# KiCad board panel.kicad_pcb (continued)
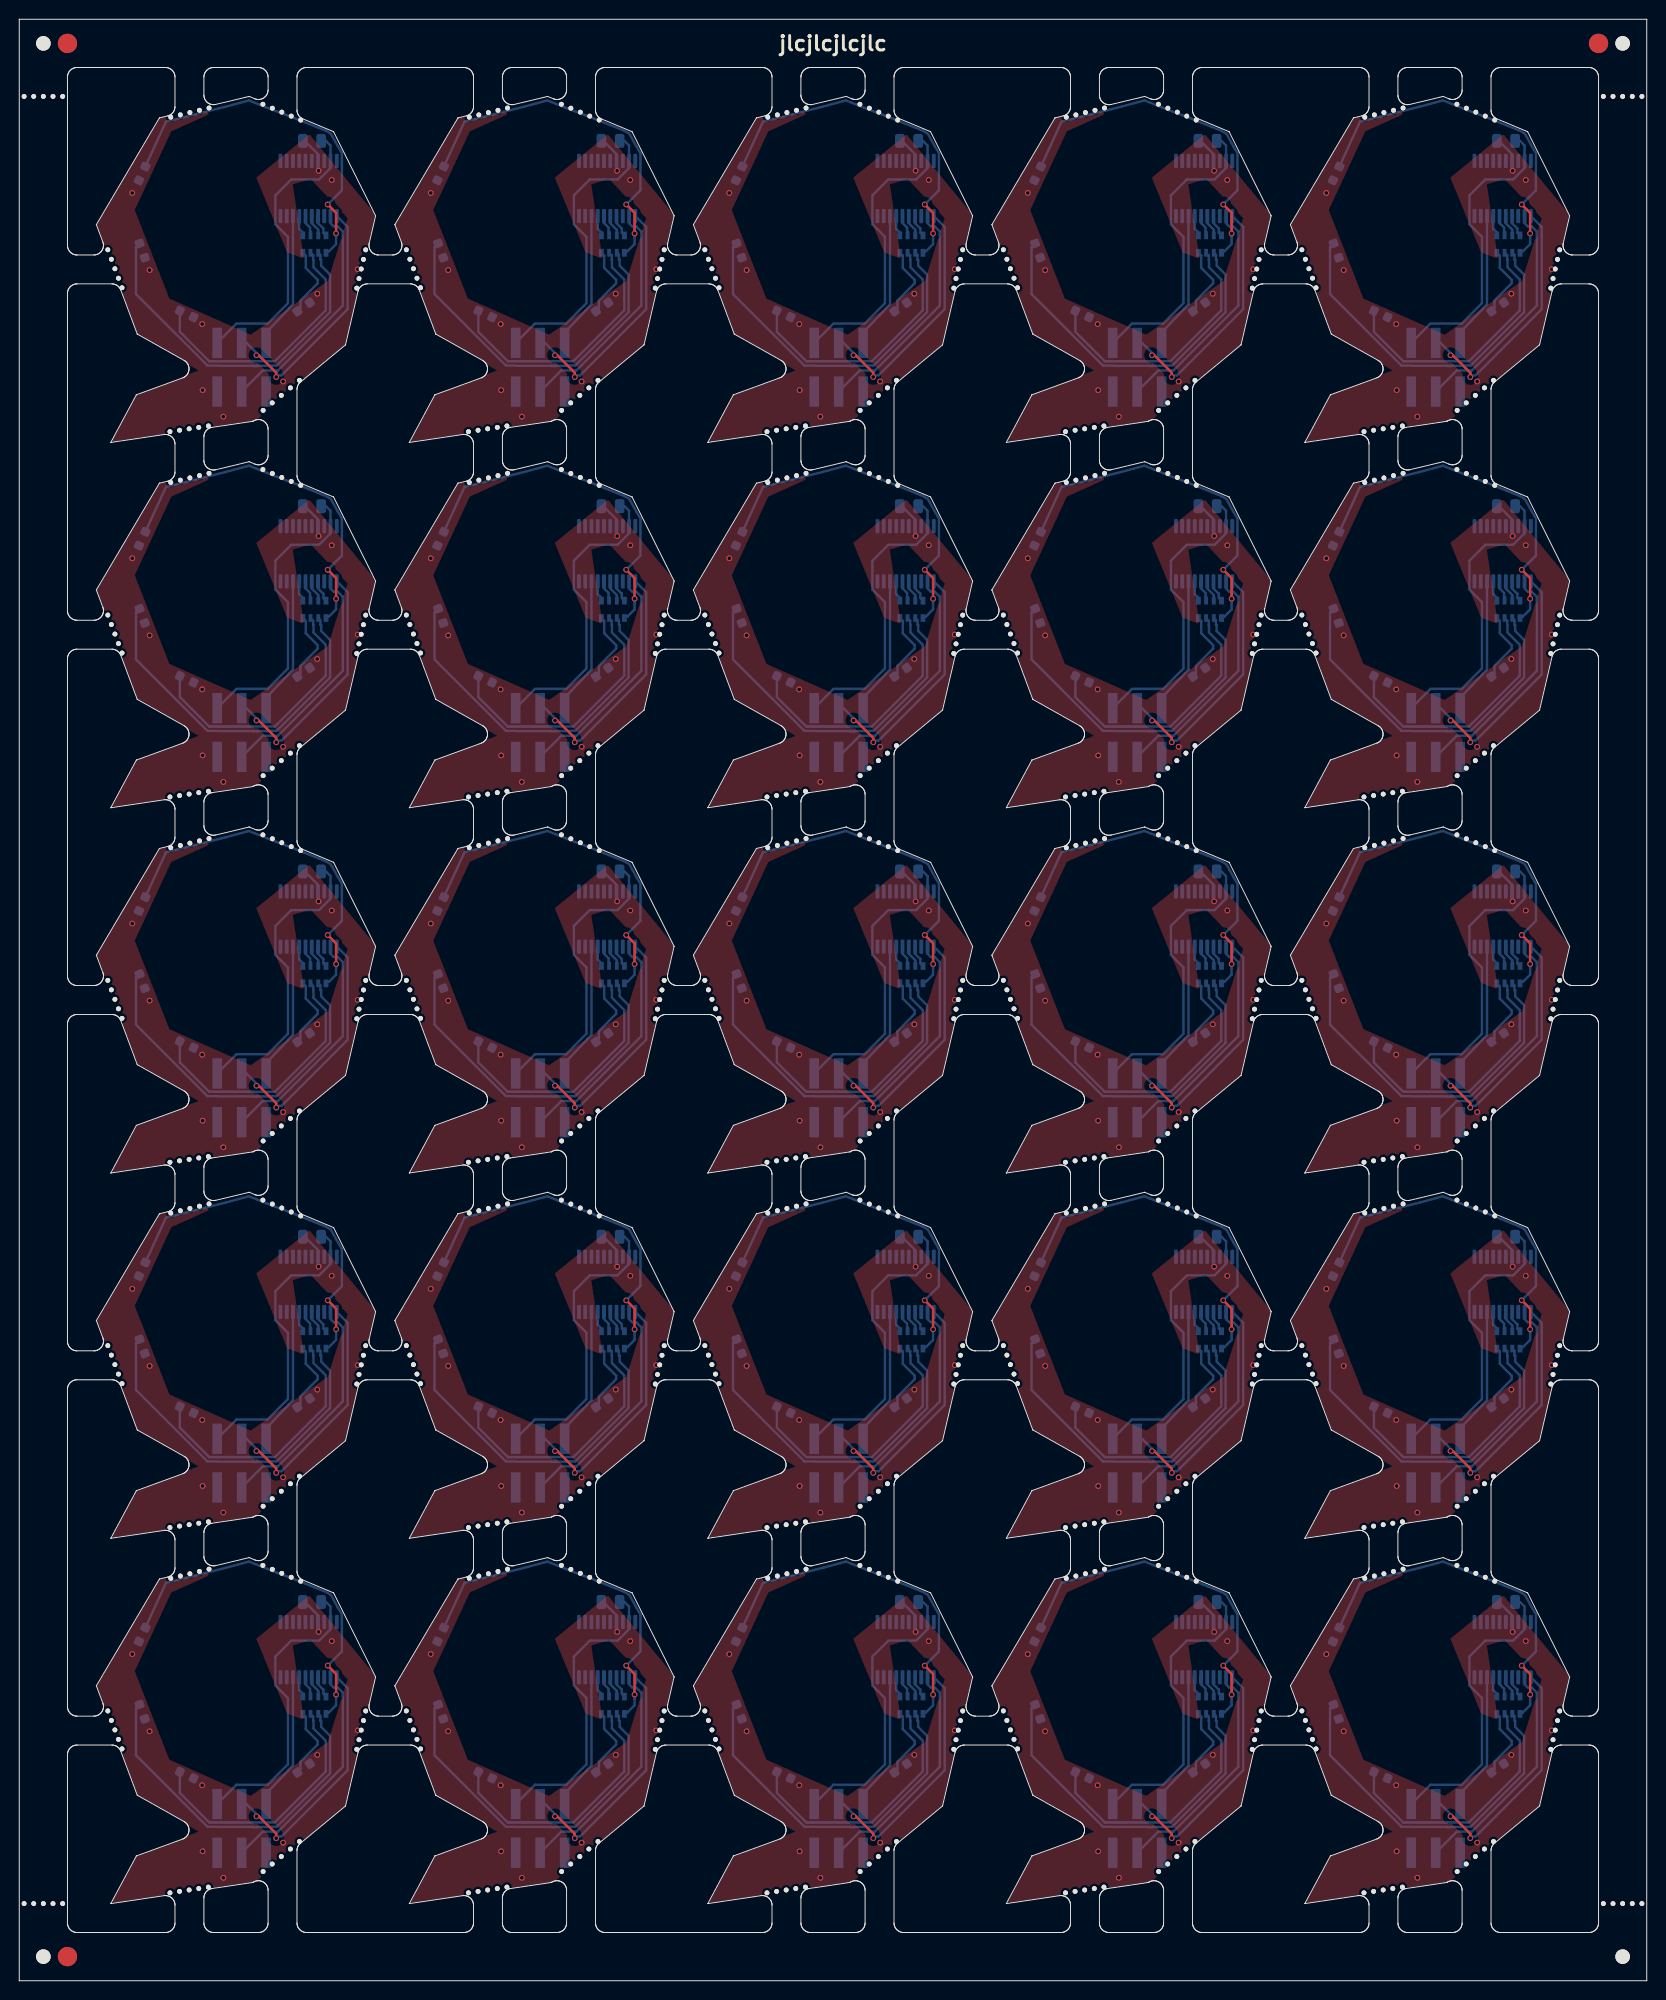
[diagram p0: board, top side]
## Nets (continued)
Board_23-A: RN1#23.8 U1#6.14
Board_23-B: RN1#23.7 U1#6.15
Board_23-C: RN1#23.6 U1#6.16
Board_23-D: RN1#23.5 U1#6.17
Board_23-Net-(D2-A): D2#7.2 RN1#23.1
Board_23-Net-(D4-A): D4#21.2 RN1#23.2
Board_23-Net-(D6-A): D6#21.2 RN1#23.3
Board_23-Net-(D8-A): D8#15.2 RN1#23.4
Board_23-SCL: J1#3.4 U1#6.12
Board_23-SDA: J1#3.3 U1#6.11
Board_23-SWIO: J1#3.5 U1#6.18
Board_23-unconnected-(J1-Pin_6-Pad6): J1#3.6
Board_23-unconnected-(U1-PA1-Pad5): U1#6.5
Board_23-unconnected-(U1-PA2-Pad6): U1#6.6
Board_23-unconnected-(U1-PC0-Pad10): U1#6.10
Board_23-unconnected-(U1-PC3-Pad13): U1#6.13
Board_23-unconnected-(U1-PD0-Pad8): U1#6.8
Board_23-unconnected-(U1-PD2-Pad19): U1#6.19
Board_23-unconnected-(U1-PD3-Pad20): U1#6.20
Board_23-unconnected-(U1-PD4-Pad1): U1#6.1
Board_23-unconnected-(U1-PD5-Pad2): U1#6.2
Board_23-unconnected-(U1-PD6-Pad3): U1#6.3
Board_23-unconnected-(U1-PD7-Pad4): U1#6.4
Board_23-VCC: C1#8.2 J1#3.1 U1#6.9
Board_23-VSS: C1#8.1 D2#7.1 D4#21.1 D6#21.1 D8#15.1 J1#3.2 U1#6.7
Board_24-A: RN1#19.8 U1#2.14
Board_24-B: RN1#19.7 U1#2.15
Board_24-C: RN1#19.6 U1#2.16
Board_24-D: RN1#19.5 U1#2.17
Board_24-Net-(D2-A): D2#15.2 RN1#19.1
Board_24-Net-(D4-A): D4#2.2 RN1#19.2
Board_24-Net-(D6-A): D6#17.2 RN1#19.3
Board_24-Net-(D8-A): D8#16.2 RN1#19.4
Board_24-SCL: J1#12.4 U1#2.12
Board_24-SDA: J1#12.3 U1#2.11
Board_24-SWIO: J1#12.5 U1#2.18
Board_24-unconnected-(J1-Pin_6-Pad6): J1#12.6
Board_24-unconnected-(U1-PA1-Pad5): U1#2.5
Board_24-unconnected-(U1-PA2-Pad6): U1#2.6
Board_24-unconnected-(U1-PC0-Pad10): U1#2.10
Board_24-unconnected-(U1-PC3-Pad13): U1#2.13
Board_24-unconnected-(U1-PD0-Pad8): U1#2.8
Board_24-unconnected-(U1-PD2-Pad19): U1#2.19
Board_24-unconnected-(U1-PD3-Pad20): U1#2.20
Board_24-unconnected-(U1-PD4-Pad1): U1#2.1
Board_24-unconnected-(U1-PD5-Pad2): U1#2.2
Board_24-unconnected-(U1-PD6-Pad3): U1#2.3
Board_24-unconnected-(U1-PD7-Pad4): U1#2.4
Board_24-VCC: C1#19.2 J1#12.1 U1#2.9
Board_24-VSS: C1#19.1 D2#15.1 D4#2.1 D6#17.1 D8#16.1 J1#12.2 U1#2.7

## Via types
v1: diameter 0.6, hole 0.4, Top to Bottom, 350 vias

## Routing (per net, layer and track width the routed paths; a pad name or vN(x,y) marks a point on that pad's centre or on a via; arc(x,y) is an arc through that point)
Board_0-A: length 2.4
  Bottom w0.25: U1#13.14 31,182.28 31.54,181.74 31.55,181.74 31.55,181.29 RN1#25.8
Board_0-B: length 2.3
  Bottom w0.25: RN1#25.7 31.03,181.61 30.35,182.28 U1#13.15
Board_0-C: length 2.2
  Bottom w0.25: RN1#25.6 30.23,181.42 30.18,181.47 30.18,181.82 29.7,182.29 U1#13.16
Board_0-D: length 2.2
  Bottom w0.25: U1#13.17 29.05,181.69 29.43,181.32 RN1#25.5
Board_0-Net-(D2-A): length 37.3
  Top w0.25: v1(32.88,181.22) 32.88,183.36 v1(32.01,184.23)
  Bottom w0.25: v1(32.01,184.23) 33.48,185.7 33.48,189.56 33.08,190.22 32.33,191.57 31.82,191.87 28.33,193.27 26.33,194.02 23.83,195.02 21.43,194.37 15.23,192.82 D2#14.2 ; RN1#25.1 31.98,179.37 32.13,179.37 32.88,180.12 v1(32.88,181.22)
Board_0-Net-(D4-A): length 37.6
  Bottom w0.25: 20.63,167.49 24.27,167.49 24.29,167.47 24.66,167.47 24.69,167.49 25.73,167.49 25.75,167.52 26.71,167.52 32.25,173.06 32.25,176.94 31.33,177.87 31.33,178.49 31.25,178.49 31.25,178.99 RN1#25.2 ; D4#25.2 12.11,179.81 12.11,174.93 19.52,167.52 20.58,167.52
Board_0-Net-(D6-A): length 31.9
  Bottom w0.25: 24.23,167.97 19.71,167.97 ; 24.23,167.97 26.53,167.97 31.8,173.24 31.8,176.44 30.53,177.72 30.53,178.49 30.5,178.49 30.5,178.94 RN1#25.3 ; 24.23,167.97 19.71,167.97 ; 19.71,167.97 16.66,171.02 D6#5.2
Board_0-Net-(D8-A): length 7.6
  Bottom w0.25: D8#9.2 29.17,173.46 29.17,174.25 30.96,176.04 30.96,176.41 29.73,177.64 29.73,178.92 RN1#25.4
Board_0-SCL: length 24.2
  Bottom w0.25: U1#13.12 32.3,182.28 32.63,181.95 33.04,181.95 33.58,181.42 33.58,173.75 26.84,167.01 25.27,167.01 J1#22.4
Board_0-SDA: length 27
  Top w0.25: v1(24.62,168.59) 24.85,168.59 26.67,166.78 v1(26.67,166.33)
  Bottom w0.25: 23.08,170.94 J1#22.3 23.58,169.87 24.62,168.83 v1(24.62,168.59) ; U1#13.11 34.08,181.89 34.08,173.37 27.21,166.51 26.84,166.51 v1(26.67,166.33)
Board_0-SWIO: length 14.3
  Bottom w0.25: J1#22.5 25.62,170.94 27.93,173.37 27.99,173.45 28.4,173.87 U1#13.18
Board_0-VCC: length 31.2
  Bottom w0.25: J1#22.1 22.54,171.87 25.76,171.87 27.88,173.98 27.88,180.87 26.58,182.17 26.58,185.17 28.23,186.82 31.11,186.82 32.3,188.01 U1#13.9 32.3,190.34 31.83,190.82 C1#4.2
Board_0-VSS: length 3.9
  Bottom w0.25: v1(31.06,187.72) 31,187.78 U1#13.7 31,189.44 29.63,190.82 C1#4.1
  vias: v1(11.73,185.42) v1(13.53,177.42) v1(18.98,171.82) v1(19.03,164.97) v1(21.18,162.22) v1(27.38,165.87) v1(30.93,174.97) v1(32.43,186.77) v1(35.13,177.51)
Board_1-A: length 2.4
  Bottom w0.25: U1.14 61.98,182.28 62.52,181.74 62.53,181.74 62.53,181.29 RN1#10.8
Board_1-B: length 2.3
  Bottom w0.25: U1.15 61.33,182.28 62,181.61 RN1#10.7
Board_1-C: length 2.2
  Bottom w0.25: RN1#10.6 61.2,181.42 61.15,181.47 61.15,181.82 60.68,182.29 U1.16
Board_1-D: length 2.2
  Bottom w0.25: U1.17 60.03,181.69 60.4,181.32 RN1#10.5
Board_1-Net-(D2-A): length 37.3
  Top w0.25: v1(62.99,184.23) 63.85,183.36 v1(63.85,181.22)
  Bottom w0.25: v1(62.99,184.23) 64.46,185.7 64.46,189.56 64.05,190.22 63.3,191.57 62.8,191.87 59.3,193.27 57.3,194.02 54.8,195.02 52.4,194.37 46.2,192.82 D2#10.2 ; v1(63.85,181.22) 63.85,180.12 63.1,179.37 62.95,179.37 RN1#10.1
Board_1-Net-(D4-A): length 37.6
  Bottom w0.25: 51.55,167.52 50.5,167.52 43.09,174.93 43.09,179.81 D4#10.2 ; RN1#10.2 62.23,178.99 62.23,178.49 62.3,178.49 62.3,177.87 63.23,176.94 63.23,173.06 57.69,167.52 56.73,167.52 56.71,167.49 55.67,167.49 55.64,167.47 55.27,167.47 55.24,167.49 51.6,167.49
Board_1-Net-(D6-A): length 31.9
  Bottom w0.25: 55.2,167.97 50.69,167.97 ; 55.2,167.97 57.5,167.97 62.78,173.24 62.78,176.44 61.5,177.72 61.5,178.49 61.48,178.49 61.48,178.94 RN1#10.3 ; 55.2,167.97 50.69,167.97 ; D6#15.2 47.64,171.02 50.69,167.97
Board_1-Net-(D8-A): length 7.6
  Bottom w0.25: D8#20.2 60.15,173.46 60.15,174.25 61.94,176.04 61.94,176.41 60.7,177.64 60.7,178.92 RN1#10.4
Board_1-SCL: length 24.2
  Bottom w0.25: U1.12 63.28,182.28 63.61,181.95 64.02,181.95 64.55,181.42 64.55,173.75 57.82,167.01 56.24,167.01 J1#17.4
Board_1-SDA: length 27
  Top w0.25: v1(57.64,166.33) 57.64,166.78 55.83,168.59 v1(55.59,168.59)
  Bottom w0.25: 54.05,170.94 J1#17.3 54.55,169.87 55.59,168.83 v1(55.59,168.59) ; U1.11 65.05,181.89 65.05,173.37 58.19,166.51 57.82,166.51 v1(57.64,166.33)
Board_1-SWIO: length 14.3
  Bottom w0.25: J1#17.5 56.59,170.94 58.9,173.37 58.96,173.45 59.38,173.87 U1.18
Board_1-VCC: length 31.2
  Bottom w0.25: C1#25.2 62.8,190.82 63.28,190.34 U1.9 63.28,188.01 62.09,186.82 59.2,186.82 57.55,185.17 57.55,182.17 58.85,180.87 58.85,173.98 56.74,171.87 53.51,171.87 J1#17.1
Board_1-VSS: length 3.9
  Bottom w0.25: C1#25.1 60.6,190.82 61.98,189.44 U1.7 61.98,187.78 v1(62.04,187.72)
  vias: v1(42.7,185.42) v1(44.5,177.42) v1(49.95,171.82) v1(50,164.97) v1(52.15,162.22) v1(58.35,165.87) v1(61.9,174.97) v1(63.4,186.77) v1(66.1,177.51)
Board_2-A: length 2.4
  Bottom w0.25: U1#10.14 92.96,182.28 93.49,181.74 93.51,181.74 93.51,181.29 RN1#12.8
Board_2-B: length 2.3
  Bottom w0.25: RN1#12.7 92.98,181.61 92.31,182.28 U1#10.15
Board_2-C: length 2.2
  Bottom w0.25: RN1#12.6 92.18,181.42 92.13,181.47 92.13,181.82 91.66,182.29 U1#10.16
Board_2-D: length 2.2
  Bottom w0.25: RN1#12.5 91.38,181.32 91.01,181.69 U1#10.17
Board_2-Net-(D2-A): length 37.3
  Top w0.25: v1(94.83,181.22) 94.83,183.36 v1(93.96,184.23)
  Bottom w0.25: v1(93.96,184.23) 95.43,185.7 95.43,189.56 95.03,190.22 94.28,191.57 93.78,191.87 90.28,193.27 88.28,194.02 85.78,195.02 83.38,194.37 77.18,192.82 D2#22.2 ; RN1#12.1 93.93,179.37 94.08,179.37 94.83,180.12 v1(94.83,181.22)
Board_2-Net-(D4-A): length 37.6
  Bottom w0.25: D4#4.2 74.07,179.81 74.07,174.93 81.48,167.52 82.53,167.52 ; 82.58,167.49 86.22,167.49 86.25,167.47 86.62,167.47 86.64,167.49 87.68,167.49 87.71,167.52 88.67,167.52 94.21,173.06 94.21,176.94 93.28,177.87 93.28,178.49 93.21,178.49 93.21,178.99 RN1#12.2
Board_2-Net-(D6-A): length 31.9
  Bottom w0.25: 81.67,167.97 78.62,171.02 D6#20.2 ; 81.67,167.97 86.18,167.97 ; 81.67,167.97 86.18,167.97 ; 86.18,167.97 88.48,167.97 93.76,173.24 93.76,176.44 92.48,177.72 92.48,178.49 92.46,178.49 92.46,178.94 RN1#12.3
Board_2-Net-(D8-A): length 7.6
  Bottom w0.25: RN1#12.4 91.68,178.92 91.68,177.64 92.92,176.41 92.92,176.04 91.13,174.25 91.13,173.46 D8#24.2
Board_2-SCL: length 24.2
  Bottom w0.25: J1#11.4 87.22,167.01 88.79,167.01 95.53,173.75 95.53,181.42 95,181.95 94.58,181.95 94.26,182.28 U1#10.12
Board_2-SDA: length 27
  Top w0.25: v1(88.62,166.33) 88.62,166.78 86.81,168.59 v1(86.57,168.59)
  Bottom w0.25: U1#10.11 96.03,181.89 96.03,173.37 89.17,166.51 88.8,166.51 v1(88.62,166.33) ; 85.03,170.94 J1#11.3 85.53,169.87 86.57,168.83 v1(86.57,168.59)
Board_2-SWIO: length 14.3
  Bottom w0.25: U1#10.18 90.36,173.87 89.94,173.45 89.88,173.37 87.57,170.94 J1#11.5
Board_2-VCC: length 31.2
  Bottom w0.25: C1#6.2 93.78,190.82 94.26,190.34 U1#10.9 94.26,188.01 93.07,186.82 90.18,186.82 88.53,185.17 88.53,182.17 89.83,180.87 89.83,173.98 87.72,171.87 84.49,171.87 J1#11.1
Board_2-VSS: length 3.9
  Bottom w0.25: v1(93.02,187.72) 92.96,187.78 U1#10.7 92.96,189.44 91.58,190.82 C1#6.1
  vias: v1(73.68,185.42) v1(75.48,177.42) v1(80.93,171.82) v1(80.98,164.97) v1(83.13,162.22) v1(89.33,165.87) v1(92.88,174.97) v1(94.38,186.77) v1(97.08,177.51)
Board_3-A: length 2.4
  Bottom w0.25: RN1#7.8 124.49,181.29 124.49,181.74 124.47,181.74 123.93,182.28 U1#17.14
Board_3-B: length 2.3
  Bottom w0.25: RN1#7.7 123.96,181.61 123.28,182.28 U1#17.15
Board_3-C: length 2.2
  Bottom w0.25: U1#17.16 122.63,182.29 123.11,181.82 123.11,181.47 123.16,181.42 RN1#7.6
Board_3-D: length 2.2
  Bottom w0.25: RN1#7.5 122.36,181.32 121.98,181.69 U1#17.17
Board_3-Net-(D2-A): length 37.3
  Top w0.25: v1(125.81,181.22) 125.81,183.36 v1(124.94,184.23)
  Bottom w0.25: RN1#7.1 124.91,179.37 125.06,179.37 125.81,180.12 v1(125.81,181.22) ; v1(124.94,184.23) 126.41,185.7 126.41,189.56 126.01,190.22 125.26,191.57 124.76,191.87 121.26,193.27 119.26,194.02 116.76,195.02 114.36,194.37 108.16,192.82 D2#6.2
Board_3-Net-(D4-A): length 37.6
  Bottom w0.25: RN1#7.2 124.18,178.99 124.18,178.49 124.26,178.49 124.26,177.87 125.18,176.94 125.18,173.06 119.64,167.52 118.69,167.52 118.66,167.49 117.62,167.49 117.6,167.47 117.22,167.47 117.2,167.49 113.56,167.49 ; 113.51,167.52 112.46,167.52 105.04,174.93 105.04,179.81 D4#6.2
Board_3-Net-(D6-A): length 31.9
  Bottom w0.25: RN1#7.3 123.43,178.94 123.43,178.49 123.46,178.49 123.46,177.72 124.73,176.44 124.73,173.24 119.46,167.97 117.16,167.97 ; D6#4.2 109.6,171.02 112.64,167.97 ; 117.16,167.97 112.64,167.97 ; 117.16,167.97 112.64,167.97
Board_3-Net-(D8-A): length 7.6
  Bottom w0.25: D8#7.2 122.1,173.46 122.1,174.25 123.9,176.04 123.9,176.41 122.66,177.64 122.66,178.92 RN1#7.4
Board_3-SCL: length 24.2
  Bottom w0.25: J1#7.4 118.2,167.01 119.77,167.01 126.51,173.75 126.51,181.42 125.97,181.95 125.56,181.95 125.23,182.28 U1#17.12
Board_3-SDA: length 27
  Top w0.25: v1(119.6,166.33) 119.6,166.78 117.79,168.59 v1(117.55,168.59)
  Bottom w0.25: v1(119.6,166.33) 119.77,166.51 120.15,166.51 127.01,173.37 127.01,181.89 U1#17.11 ; v1(117.55,168.59) 117.55,168.83 116.51,169.87 J1#7.3 116.01,170.94
Board_3-SWIO: length 14.3
  Bottom w0.25: U1#17.18 121.33,173.87 120.92,173.45 120.86,173.37 118.55,170.94 J1#7.5
Board_3-VCC: length 31.2
  Bottom w0.25: J1#7.1 115.47,171.87 118.7,171.87 120.81,173.98 120.81,180.87 119.51,182.17 119.51,185.17 121.16,186.82 124.05,186.82 125.23,188.01 U1#17.9 125.23,190.34 124.76,190.82 C1#20.2
Board_3-VSS: length 3.9
  Bottom w0.25: v1(124,187.72) 123.93,187.78 U1#17.7 123.93,189.44 122.56,190.82 C1#20.1
  vias: v1(104.66,185.42) v1(106.46,177.42) v1(111.91,171.82) v1(111.96,164.97) v1(114.11,162.22) v1(120.31,165.87) v1(123.86,174.97) v1(125.36,186.77) v1(128.06,177.51)
Board_4-A: length 2.4
  Bottom w0.25: U1#15.14 154.91,182.28 155.45,181.74 155.46,181.74 155.46,181.29 RN1#20.8
Board_4-B: length 2.3
  Bottom w0.25: RN1#20.7 154.94,181.61 154.26,182.28 U1#15.15
Board_4-C: length 2.2
  Bottom w0.25: RN1#20.6 154.14,181.42 154.09,181.47 154.09,181.82 153.61,182.29 U1#15.16
Board_4-D: length 2.2
  Bottom w0.25: RN1#20.5 153.34,181.32 152.96,181.69 U1#15.17
Board_4-Net-(D2-A): length 37.3
  Top w0.25: v1(155.92,184.23) 156.79,183.36 v1(156.79,181.22)
  Bottom w0.25: D2#12.2 139.14,192.82 145.34,194.37 147.74,195.02 150.24,194.02 152.24,193.27 155.73,191.87 156.24,191.57 156.99,190.22 157.39,189.56 157.39,185.7 v1(155.92,184.23) ; v1(156.79,181.22) 156.79,180.12 156.04,179.37 155.89,179.37 RN1#20.1
Board_4-Net-(D4-A): length 37.6
  Bottom w0.25: RN1#20.2 155.16,178.99 155.16,178.49 155.24,178.49 155.24,177.87 156.16,176.94 156.16,173.06 150.62,167.52 149.66,167.52 149.64,167.49 148.6,167.49 148.57,167.47 148.2,167.47 148.18,167.49 144.54,167.49 ; D4#14.2 136.02,179.81 136.02,174.93 143.43,167.52 144.49,167.52
Board_4-Net-(D6-A): length 31.9
  Bottom w0.25: 148.14,167.97 150.44,167.97 155.71,173.24 155.71,176.44 154.44,177.72 154.44,178.49 154.41,178.49 154.41,178.94 RN1#20.3 ; 148.14,167.97 143.62,167.97 ; 148.14,167.97 143.62,167.97 ; 143.62,167.97 140.57,171.02 D6#9.2
Board_4-Net-(D8-A): length 7.6
  Bottom w0.25: D8#22.2 153.08,173.46 153.08,174.25 154.87,176.04 154.87,176.41 153.64,177.64 153.64,178.92 RN1#20.4
Board_4-SCL: length 24.2
  Bottom w0.25: J1#19.4 149.18,167.01 150.75,167.01 157.49,173.75 157.49,181.42 156.95,181.95 156.54,181.95 156.21,182.28 U1#15.12
Board_4-SDA: length 27
  Top w0.25: v1(150.58,166.33) 150.58,166.78 148.76,168.59 v1(148.53,168.59)
  Bottom w0.25: v1(148.53,168.59) 148.53,168.83 147.49,169.87 J1#19.3 146.99,170.94 ; U1#15.11 157.99,181.89 157.99,173.37 151.12,166.51 150.75,166.51 v1(150.58,166.33)
Board_4-SWIO: length 14.3
  Bottom w0.25: J1#19.5 149.53,170.94 151.84,173.37 151.9,173.45 152.31,173.87 U1#15.18
Board_4-VCC: length 31.2
  Bottom w0.25: C1#10.2 155.74,190.82 156.21,190.34 U1#15.9 156.21,188.01 155.02,186.82 152.14,186.82 150.49,185.17 150.49,182.17 151.79,180.87 151.79,173.98 149.67,171.87 146.45,171.87 J1#19.1
Board_4-VSS: length 3.9
  Bottom w0.25: C1#10.1 153.54,190.82 154.91,189.44 U1#15.7 154.91,187.78 v1(154.97,187.72)
  vias: v1(135.64,185.42) v1(137.44,177.42) v1(142.89,171.82) v1(142.94,164.97) v1(145.09,162.22) v1(151.29,165.87) v1(154.84,174.97) v1(156.34,186.77) v1(159.04,177.51)
Board_5-A: length 2.4
  Bottom w0.25: RN1#6.8 31.55,143.41 31.55,143.86 31.54,143.86 31,144.39 U1#14.14
Board_5-B: length 2.3
  Bottom w0.25: RN1#6.7 31.03,143.72 30.35,144.39 U1#14.15
Board_5-C: length 2.2
  Bottom w0.25: RN1#6.6 30.23,143.53 30.18,143.58 30.18,143.93 29.7,144.41 U1#14.16
Board_5-D: length 2.2
  Bottom w0.25: U1#14.17 29.05,143.81 29.43,143.43 RN1#6.5
Board_5-Net-(D2-A): length 37.3
  Top w0.25: v1(32.88,143.33) 32.88,145.47 v1(32.01,146.34)
  Bottom w0.25: v1(32.01,146.34) 33.48,147.81 33.48,151.67 33.08,152.33 32.33,153.68 31.82,153.98 28.33,155.38 26.33,156.13 23.83,157.13 21.43,156.48 15.23,154.93 D2#18.2 ; v1(32.88,143.33) 32.88,142.23 32.13,141.48 31.98,141.48 RN1#6.1
Board_5-Net-(D4-A): length 37.6
  Bottom w0.25: D4.2 12.11,141.93 12.11,137.04 19.52,129.63 20.58,129.63 ; RN1#6.2 31.25,141.11 31.25,140.61 31.33,140.61 31.33,139.98 32.25,139.06 32.25,135.17 26.71,129.63 25.75,129.63 25.73,129.61 24.69,129.61 24.66,129.58 24.29,129.58 24.27,129.61 20.63,129.61
Board_5-Net-(D6-A): length 31.9
  Bottom w0.25: RN1#6.3 30.5,141.06 30.5,140.61 30.53,140.61 30.53,139.83 31.8,138.56 31.8,135.36 26.53,130.08 24.23,130.08 ; 24.23,130.08 19.71,130.08 ; 24.23,130.08 19.71,130.08 ; 19.71,130.08 16.66,133.13 D6#18.2
Board_5-Net-(D8-A): length 7.6
  Bottom w0.25: D8#17.2 29.17,135.57 29.17,136.36 30.96,138.16 30.96,138.52 29.73,139.76 29.73,141.03 RN1#6.4
Board_5-SCL: length 24.2
  Bottom w0.25: J1.4 25.27,129.12 26.84,129.12 33.58,135.86 33.58,143.53 33.04,144.07 32.63,144.07 32.3,144.39 U1#14.12
Board_5-SDA: length 27
  Top w0.25: v1(24.62,130.71) 24.85,130.71 26.67,128.89 v1(26.67,128.45)
  Bottom w0.25: U1#14.11 34.08,144.01 34.08,135.48 27.21,128.62 26.84,128.62 v1(26.67,128.45) ; 23.08,133.06 J1.3 23.58,131.98 24.62,130.94 v1(24.62,130.71)
Board_5-SWIO: length 14.3
  Bottom w0.25: J1.5 25.62,133.06 27.93,135.48 27.99,135.57 28.4,135.98 U1#14.18
Board_5-VCC: length 31.2
  Bottom w0.25: J1.1 22.54,133.98 25.76,133.98 27.88,136.1 27.88,142.98 26.58,144.28 26.58,147.28 28.23,148.93 31.11,148.93 32.3,150.12 U1#14.9 32.3,152.46 31.83,152.93 C1#14.2
Board_5-VSS: length 3.9
  Bottom w0.25: C1#14.1 29.63,152.93 31,151.56 U1#14.7 31,149.9 v1(31.06,149.83)
  vias: v1(11.73,147.53) v1(13.53,139.53) v1(18.98,133.93) v1(19.03,127.08) v1(21.18,124.33) v1(27.38,127.98) v1(30.93,137.08) v1(32.43,148.88) v1(35.13,139.62)
Board_6-A: length 2.4
  Bottom w0.25: RN1#22.8 62.53,143.41 62.53,143.86 62.52,143.86 61.98,144.39 U1#20.14
Board_6-B: length 2.3
  Bottom w0.25: U1#20.15 61.33,144.39 62,143.72 RN1#22.7
Board_6-C: length 2.2
  Bottom w0.25: U1#20.16 60.68,144.41 61.15,143.93 61.15,143.58 61.2,143.53 RN1#22.6
Board_6-D: length 2.2
  Bottom w0.25: U1#20.17 60.03,143.81 60.4,143.43 RN1#22.5
Board_6-Net-(D2-A): length 37.3
  Top w0.25: v1(63.85,143.33) 63.85,145.47 v1(62.99,146.34)
  Bottom w0.25: RN1#22.1 62.95,141.48 63.1,141.48 63.85,142.23 v1(63.85,143.33) ; D2#24.2 46.2,154.93 52.4,156.48 54.8,157.13 57.3,156.13 59.3,155.38 62.8,153.98 63.3,153.68 64.05,152.33 64.46,151.67 64.46,147.81 v1(62.99,146.34)
Board_6-Net-(D4-A): length 37.6
  Bottom w0.25: 51.6,129.61 55.24,129.61 55.27,129.58 55.64,129.58 55.67,129.61 56.71,129.61 56.73,129.63 57.69,129.63 63.23,135.17 63.23,139.06 62.3,139.98 62.3,140.61 62.23,140.61 62.23,141.11 RN1#22.2 ; D4#12.2 43.09,141.93 43.09,137.04 50.5,129.63 51.55,129.63
Board_6-Net-(D6-A): length 31.9
  Bottom w0.25: D6#6.2 47.64,133.13 50.69,130.08 ; 50.69,130.08 55.2,130.08 ; 50.69,130.08 55.2,130.08 ; 55.2,130.08 57.5,130.08 62.78,135.36 62.78,138.56 61.5,139.83 61.5,140.61 61.48,140.61 61.48,141.06 RN1#22.3
Board_6-Net-(D8-A): length 7.6
  Bottom w0.25: D8#14.2 60.15,135.57 60.15,136.36 61.94,138.16 61.94,138.52 60.7,139.76 60.7,141.03 RN1#22.4
Board_6-SCL: length 24.2
  Bottom w0.25: U1#20.12 63.28,144.39 63.61,144.07 64.02,144.07 64.55,143.53 64.55,135.86 57.82,129.12 56.24,129.12 J1#24.4
Board_6-SDA: length 27
  Top w0.25: v1(55.59,130.71) 55.83,130.71 57.64,128.89 v1(57.64,128.45)
  Bottom w0.25: 54.05,133.06 J1#24.3 54.55,131.98 55.59,130.94 v1(55.59,130.71) ; v1(57.64,128.45) 57.82,128.62 58.19,128.62 65.05,135.48 65.05,144.01 U1#20.11
Board_6-SWIO: length 14.3
  Bottom w0.25: J1#24.5 56.59,133.06 58.9,135.48 58.96,135.57 59.38,135.98 U1#20.18
Board_6-VCC: length 31.2
  Bottom w0.25: C1#23.2 62.8,152.93 63.28,152.46 U1#20.9 63.28,150.12 62.09,148.93 59.2,148.93 57.55,147.28 57.55,144.28 58.85,142.98 58.85,136.1 56.74,133.98 53.51,133.98 J1#24.1
Board_6-VSS: length 3.9
  Bottom w0.25: C1#23.1 60.6,152.93 61.98,151.56 U1#20.7 61.98,149.9 v1(62.04,149.83)
  vias: v1(42.7,147.53) v1(44.5,139.53) v1(49.95,133.93) v1(50,127.08) v1(52.15,124.33) v1(58.35,127.98) v1(61.9,137.08) v1(63.4,148.88) v1(66.1,139.62)
Board_7-A: length 2.4
  Bottom w0.25: U1#11.14 92.96,144.39 93.49,143.86 93.51,143.86 93.51,143.41 RN1#11.8
Board_7-B: length 2.3
  Bottom w0.25: U1#11.15 92.31,144.39 92.98,143.72 RN1#11.7
Board_7-C: length 2.2
  Bottom w0.25: RN1#11.6 92.18,143.53 92.13,143.58 92.13,143.93 91.66,144.41 U1#11.16
Board_7-D: length 2.2
  Bottom w0.25: RN1#11.5 91.38,143.43 91.01,143.81 U1#11.17
Board_7-Net-(D2-A): length 37.3
  Top w0.25: v1(94.83,143.33) 94.83,145.47 v1(93.96,146.34)
  Bottom w0.25: v1(93.96,146.34) 95.43,147.81 95.43,151.67 95.03,152.33 94.28,153.68 93.78,153.98 90.28,155.38 88.28,156.13 85.78,157.13 83.38,156.48 77.18,154.93 D2#19.2 ; v1(94.83,143.33) 94.83,142.23 94.08,141.48 93.93,141.48 RN1#11.1
Board_7-Net-(D4-A): length 37.6
  Bottom w0.25: D4#11.2 74.07,141.93 74.07,137.04 81.48,129.63 82.53,129.63 ; RN1#11.2 93.21,141.11 93.21,140.61 93.28,140.61 93.28,139.98 94.21,139.06 94.21,135.17 88.67,129.63 87.71,129.63 87.68,129.61 86.64,129.61 86.62,129.58 86.25,129.58 86.22,129.61 82.58,129.61
Board_7-Net-(D6-A): length 31.9
  Bottom w0.25: 86.18,130.08 81.67,130.08 ; 86.18,130.08 81.67,130.08 ; 86.18,130.08 88.48,130.08 93.76,135.36 93.76,138.56 92.48,139.83 92.48,140.61 92.46,140.61 92.46,141.06 RN1#11.3 ; 81.67,130.08 78.62,133.13 D6#25.2
Board_7-Net-(D8-A): length 7.6
  Bottom w0.25: D8#2.2 91.13,135.57 91.13,136.36 92.92,138.16 92.92,138.52 91.68,139.76 91.68,141.03 RN1#11.4
Board_7-SCL: length 24.2
  Bottom w0.25: J1#14.4 87.22,129.12 88.79,129.12 95.53,135.86 95.53,143.53 95,144.07 94.58,144.07 94.26,144.39 U1#11.12
Board_7-SDA: length 27
  Top w0.25: v1(88.62,128.45) 88.62,128.89 86.81,130.71 v1(86.57,130.71)
  Bottom w0.25: v1(88.62,128.45) 88.8,128.62 89.17,128.62 96.03,135.48 96.03,144.01 U1#11.11 ; 85.03,133.06 J1#14.3 85.53,131.98 86.57,130.94 v1(86.57,130.71)
Board_7-SWIO: length 14.3
  Bottom w0.25: J1#14.5 87.57,133.06 89.88,135.48 89.94,135.57 90.36,135.98 U1#11.18
Board_7-VCC: length 31.2
  Bottom w0.25: J1#14.1 84.49,133.98 87.72,133.98 89.83,136.1 89.83,142.98 88.53,144.28 88.53,147.28 90.18,148.93 93.07,148.93 94.26,150.12 U1#11.9 94.26,152.46 93.78,152.93 C1#3.2
Board_7-VSS: length 3.9
  Bottom w0.25: v1(93.02,149.83) 92.96,149.9 U1#11.7 92.96,151.56 91.58,152.93 C1#3.1
  vias: v1(73.68,147.53) v1(75.48,139.53) v1(80.93,133.93) v1(80.98,127.08) v1(83.13,124.33) v1(89.33,127.98) v1(92.88,137.08) v1(94.38,148.88) v1(97.08,139.62)
Board_8-A: length 2.4
  Bottom w0.25: RN1#17.8 124.49,143.41 124.49,143.86 124.47,143.86 123.93,144.39 U1#4.14
Board_8-B: length 2.3
  Bottom w0.25: RN1#17.7 123.96,143.72 123.28,144.39 U1#4.15
Board_8-C: length 2.2
  Bottom w0.25: U1#4.16 122.63,144.41 123.11,143.93 123.11,143.58 123.16,143.53 RN1#17.6
Board_8-D: length 2.2
  Bottom w0.25: U1#4.17 121.98,143.81 122.36,143.43 RN1#17.5
Board_8-Net-(D2-A): length 37.3
  Top w0.25: v1(124.94,146.34) 125.81,145.47 v1(125.81,143.33)
  Bottom w0.25: v1(125.81,143.33) 125.81,142.23 125.06,141.48 124.91,141.48 RN1#17.1 ; D2#11.2 108.16,154.93 114.36,156.48 116.76,157.13 119.26,156.13 121.26,155.38 124.76,153.98 125.26,153.68 126.01,152.33 126.41,151.67 126.41,147.81 v1(124.94,146.34)
Board_8-Net-(D4-A): length 37.6
  Bottom w0.25: D4#7.2 105.04,141.93 105.04,137.04 112.46,129.63 113.51,129.63 ; RN1#17.2 124.18,141.11 124.18,140.61 124.26,140.61 124.26,139.98 125.18,139.06 125.18,135.17 119.64,129.63 118.69,129.63 118.66,129.61 117.62,129.61 117.6,129.58 117.22,129.58 117.2,129.61 113.56,129.61
Board_8-Net-(D6-A): length 31.9
  Bottom w0.25: 117.16,130.08 112.64,130.08 ; 117.16,130.08 119.46,130.08 124.73,135.36 124.73,138.56 123.46,139.83 123.46,140.61 123.43,140.61 123.43,141.06 RN1#17.3 ; 117.16,130.08 112.64,130.08 ; 112.64,130.08 109.6,133.13 D6#22.2
Board_8-Net-(D8-A): length 7.6
  Bottom w0.25: RN1#17.4 122.66,141.03 122.66,139.76 123.9,138.52 123.9,138.16 122.1,136.36 122.1,135.57 D8#18.2
Board_8-SCL: length 24.2
  Bottom w0.25: U1#4.12 125.23,144.39 125.56,144.07 125.97,144.07 126.51,143.53 126.51,135.86 119.77,129.12 118.2,129.12 J1#5.4
Board_8-SDA: length 27
  Top w0.25: v1(119.6,128.45) 119.6,128.89 117.79,130.71 v1(117.55,130.71)
  Bottom w0.25: v1(117.55,130.71) 117.55,130.94 116.51,131.98 J1#5.3 116.01,133.06 ; U1#4.11 127.01,144.01 127.01,135.48 120.15,128.62 119.77,128.62 v1(119.6,128.45)
Board_8-SWIO: length 14.3
  Bottom w0.25: J1#5.5 118.55,133.06 120.86,135.48 120.92,135.57 121.33,135.98 U1#4.18
Board_8-VCC: length 31.2
  Bottom w0.25: J1#5.1 115.47,133.98 118.7,133.98 120.81,136.1 120.81,142.98 119.51,144.28 119.51,147.28 121.16,148.93 124.05,148.93 125.23,150.12 U1#4.9 125.23,152.46 124.76,152.93 C1#7.2
Board_8-VSS: length 3.9
  Bottom w0.25: C1#7.1 122.56,152.93 123.93,151.56 U1#4.7 123.93,149.9 v1(124,149.83)
  vias: v1(104.66,147.53) v1(106.46,139.53) v1(111.91,133.93) v1(111.96,127.08) v1(114.11,124.33) v1(120.31,127.98) v1(123.86,137.08) v1(125.36,148.88) v1(128.06,139.62)
Board_9-A: length 2.4
  Bottom w0.25: U1#18.14 154.91,144.39 155.45,143.86 155.46,143.86 155.46,143.41 RN1#9.8
Board_9-B: length 2.3
  Bottom w0.25: U1#18.15 154.26,144.39 154.94,143.72 RN1#9.7
Board_9-C: length 2.2
  Bottom w0.25: U1#18.16 153.61,144.41 154.09,143.93 154.09,143.58 154.14,143.53 RN1#9.6
Board_9-D: length 2.2
  Bottom w0.25: RN1#9.5 153.34,143.43 152.96,143.81 U1#18.17
Board_9-Net-(D2-A): length 37.3
  Top w0.25: v1(156.79,143.33) 156.79,145.47 v1(155.92,146.34)
  Bottom w0.25: D2#13.2 139.14,154.93 145.34,156.48 147.74,157.13 150.24,156.13 152.24,155.38 155.73,153.98 156.24,153.68 156.99,152.33 157.39,151.67 157.39,147.81 v1(155.92,146.34) ; RN1#9.1 155.89,141.48 156.04,141.48 156.79,142.23 v1(156.79,143.33)
Board_9-Net-(D4-A): length 37.6
  Bottom w0.25: D4#5.2 136.02,141.93 136.02,137.04 143.43,129.63 144.49,129.63 ; 144.54,129.61 148.18,129.61 148.2,129.58 148.57,129.58 148.6,129.61 149.64,129.61 149.66,129.63 150.62,129.63 156.16,135.17 156.16,139.06 155.24,139.98 155.24,140.61 155.16,140.61 155.16,141.11 RN1#9.2
